# KiCad board d20_tri_r0.3_4x1.kicad_pcb (continued)
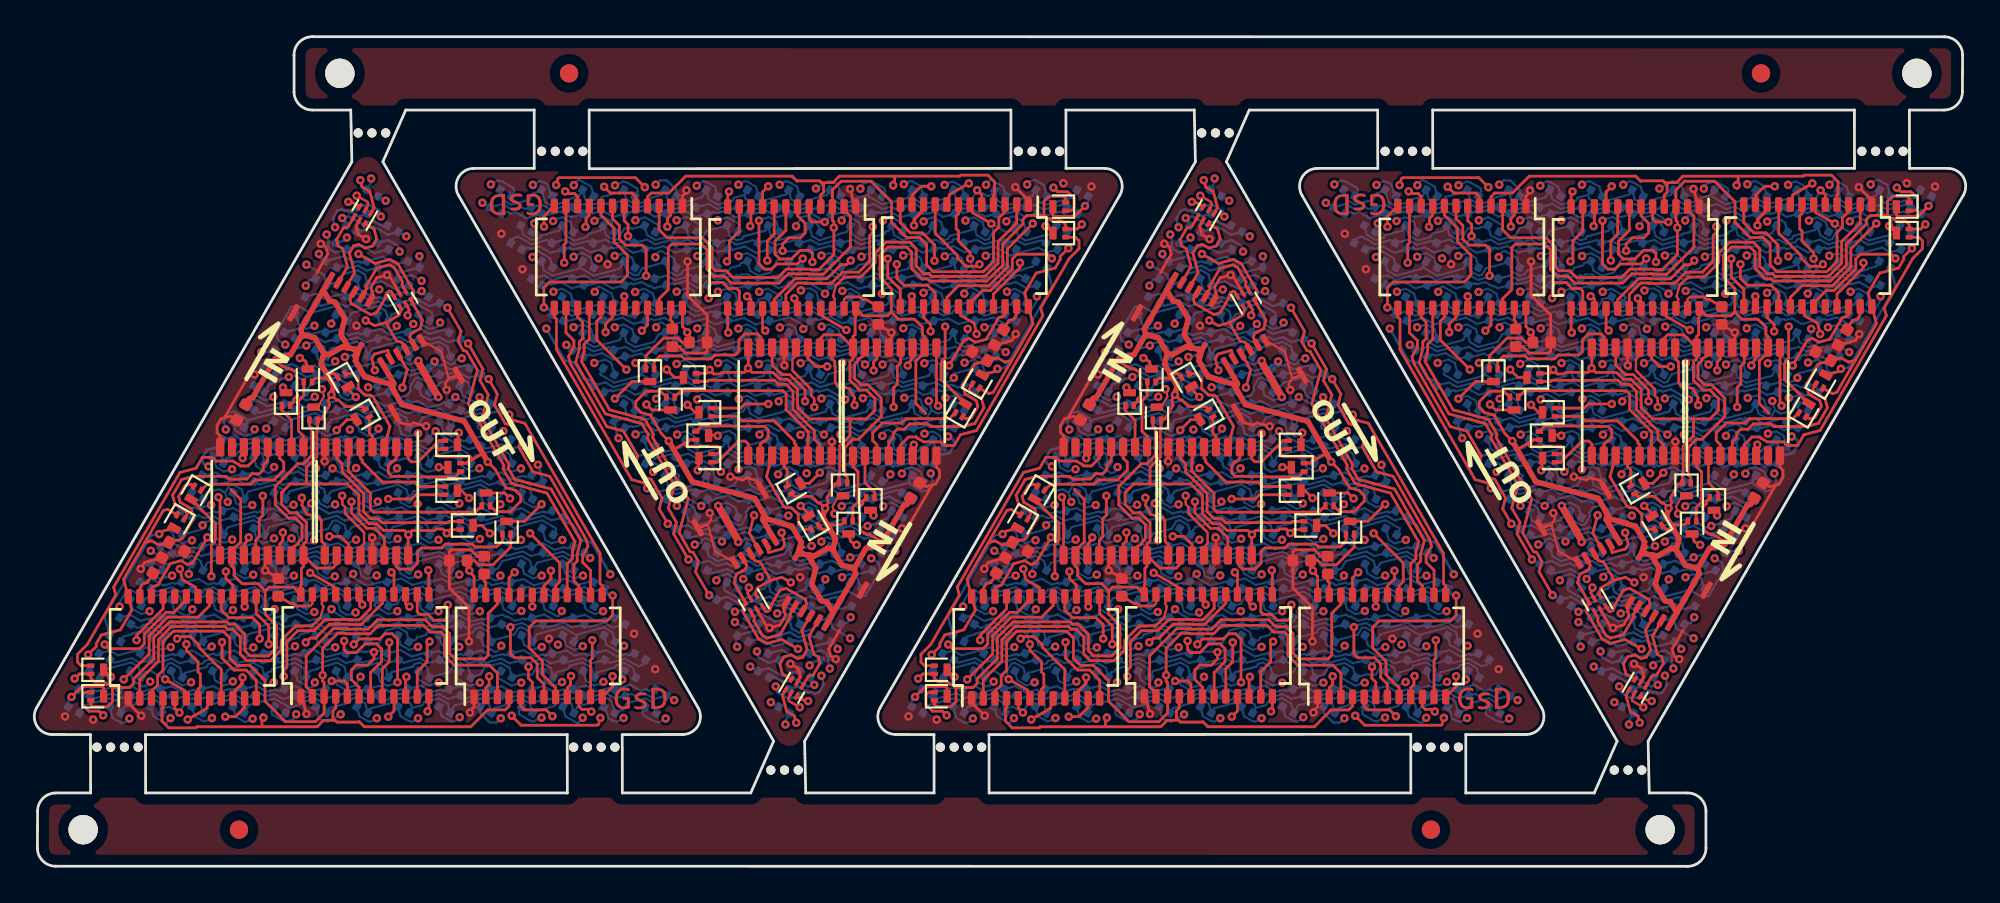
[diagram p0: board, top side]
## Routing (per net, layer and track width the routed paths; a pad name or vN(x,y) marks a point on that pad's centre or on a via; arc(x,y) is an arc through that point) (continued)
colb_4: length 164.8
  Top w0.15: U3.9 49.13,34.53 50.34,33.32 50.34,33.19 50.81,32.72 51.41,32.72 51.59,32.91 ; 7.74,12.34 7.92,12.53 8.52,12.53 8.99,12.06 8.99,11.93 10.2,10.72 U3#2.9 ; 53.74,12.34 53.92,12.53 54.52,12.53 54.99,12.06 54.99,11.93 56.2,10.72 U3#4.9 ; 97.59,32.91 97.41,32.72 96.81,32.72 96.34,33.19 96.34,33.32 95.13,34.53 U3#3.9
  In1.Cu w0.2: v1(6.35,17.21) 6.53,17.1 v1(7.79,12.42) ; v1(52.35,17.21) 52.53,17.1 v1(53.79,12.42) ; v1(98.98,28.05) 98.8,28.15 v1(97.54,32.84) ; v1(52.98,28.05) 52.8,28.15 v1(51.54,32.84)
  Bottom w0.114: D165.2 52.2,28.81 ; 52.2,28.81 51.24,28.55 51.18,28.44 50.73,28.32 50.27,28.59 D149.2 49.89,28.7 48.49,28.32 48.02,28.59 D133.2 47.64,28.7 46.24,28.32 45.77,28.59 D117.2 45.4,28.7 43.99,28.32 43.53,28.59 D101.2 43.15,28.7 41.75,28.32 41.28,28.59 D85.2 40.9,28.7 39.5,28.32 39.03,28.59 D69.2 38.66,28.7 37.25,28.33 36.79,28.59 D53.2 36.41,28.7 35.01,28.33 34.54,28.6 D37.2 34.05,29.02 33.81,28.61 32.76,28.33 32.29,28.6 D21.2 31.92,28.7 30.51,28.33 30.05,28.6 D5.2 ; 52.2,28.81 52.3,28.44 v1(52.98,28.05) ; 7.13,16.45 8.09,16.7 8.15,16.81 8.6,16.93 9.06,16.66 D149#2.2 9.44,16.56 10.84,16.93 11.31,16.66 D133#2.2 11.69,16.56 13.09,16.93 13.56,16.66 D117#2.2 13.93,16.56 15.34,16.93 15.8,16.66 D101#2.2 16.18,16.55 17.58,16.93 18.05,16.66 D85#2.2 18.43,16.55 19.83,16.93 20.3,16.66 D69#2.2 20.67,16.55 22.08,16.93 22.54,16.66 D53#2.2 22.92,16.55 24.32,16.93 24.79,16.66 D37#2.2 25.28,16.24 25.52,16.65 26.57,16.93 27.04,16.66 D21#2.2 27.41,16.55 28.82,16.93 29.28,16.66 D5#2.2 ; 7.13,16.45 D165#2.2 ; 7.13,16.45 7.03,16.82 v1(6.35,17.21) ; v1(52.35,17.21) 53.03,16.82 53.13,16.45 ; 98.2,28.81 97.24,28.55 97.18,28.44 96.73,28.32 96.27,28.59 D149#3.2 95.89,28.7 94.49,28.32 94.02,28.59 D133#4.2 93.64,28.7 92.24,28.32 91.77,28.59 D117#3.2 91.4,28.7 89.99,28.32 89.53,28.59 D101#3.2 89.15,28.7 87.75,28.32 87.28,28.59 D85#3.2 86.9,28.7 85.5,28.32 85.03,28.59 D69#3.2 84.66,28.7 83.25,28.33 82.79,28.59 D53#3.2 82.41,28.7 81.01,28.33 80.54,28.6 D37#4.2 80.05,29.02 79.81,28.61 78.76,28.33 78.29,28.6 D21#3.2 77.92,28.7 76.51,28.33 76.05,28.6 D5#3.2 ; 98.2,28.81 D165#4.2 ; 98.2,28.81 98.3,28.44 v1(98.98,28.05) ; D165#3.2 53.13,16.45 ; 53.13,16.45 54.09,16.7 54.15,16.81 54.6,16.93 55.06,16.66 D149#4.2 55.44,16.56 56.84,16.93 57.31,16.66 D133#3.2 57.69,16.56 59.09,16.93 59.56,16.66 D117#4.2 59.93,16.56 61.34,16.93 61.8,16.66 D101#4.2 62.18,16.55 63.58,16.93 64.05,16.66 D85#4.2 64.43,16.55 65.83,16.93 66.3,16.66 D69#4.2 66.67,16.55 68.08,16.93 68.54,16.66 D53#4.2 68.92,16.55 70.32,16.93 70.79,16.66 D37#3.2 71.28,16.24 71.52,16.65 72.57,16.93 73.04,16.66 D21#4.2 73.41,16.55 74.82,16.93 75.28,16.66 D5#4.2
colb_5: length 158.8
  Top w0.15: 48.01,34.97 48.01,35.3 48.5,35.78 U3.10 48.5,35.81 47.97,35.28 v1(47.97,34.96) ; v1(11.36,10.3) 11.36,9.97 10.83,9.45 U3#2.10 10.83,9.47 11.32,9.96 11.32,10.28 ; 57.32,10.28 57.32,9.96 56.83,9.47 U3#4.10 56.83,9.45 57.36,9.97 v1(57.36,10.3) ; v1(93.97,34.96) 93.97,35.28 94.5,35.81 U3#3.10 94.5,35.78 94.01,35.3 94.01,34.97
  In1.Cu w0.15: v1(11.36,10.3) 11.53,10.95 9.94,13.71 10.44,15.59 10.82,15.81 10.91,16.14 10.12,17.52 10.23,17.94 9.97,18.39 9.26,18.58 ; 55.26,18.58 55.97,18.39 56.23,17.94 56.12,17.52 56.91,16.14 56.82,15.81 56.44,15.59 55.94,13.71 57.53,10.95 v1(57.36,10.3) ; v1(93.97,34.96) 93.8,34.31 95.4,31.54 94.89,29.66 94.51,29.44 94.42,29.11 95.21,27.74 95.1,27.31 95.36,26.86 96.07,26.67 ; v1(47.97,34.96) 47.8,34.31 49.4,31.54 48.89,29.66 48.51,29.44 48.42,29.11 49.21,27.74 49.1,27.31 49.36,26.86 50.07,26.67
  Bottom w0.114: 33.12,26.89 33.04,26.76 31.64,26.38 30.89,26.81 30.87,26.89 D6.2 ; 33.12,26.89 D22.2 ; 33.12,26.89 33.14,26.81 33.88,26.38 35.29,26.76 D38.2 35.66,26.65 36.19,26.35 36.21,26.38 37.52,26.74 D54.2 37.91,26.65 38.38,26.38 39.78,26.76 D70.2 40.16,26.65 40.62,26.38 42.03,26.75 D86.2 42.4,26.65 42.87,26.38 43.06,26.43 43.3,26.84 D102.2 44.65,26.65 45.12,26.38 46.52,26.75 D118.2 46.9,26.65 47.36,26.38 47.51,26.42 47.51,26.42 48.77,26.76 D134.2 49.14,26.65 49.61,26.38 49.96,26.47 50.2,26.88 D150.2 ; 26.21,18.36 26.19,18.44 25.45,18.87 24.04,18.5 D38#2.2 23.67,18.61 23.14,18.91 23.12,18.87 21.81,18.52 D54#2.2 21.42,18.61 20.95,18.88 19.55,18.5 D70#2.2 19.17,18.61 18.71,18.88 17.3,18.5 D86#2.2 16.93,18.61 16.46,18.88 16.27,18.83 16.03,18.41 D102#2.2 14.68,18.61 14.21,18.88 12.81,18.5 D118#2.2 12.43,18.61 11.97,18.88 11.82,18.84 11.82,18.83 10.56,18.5 D134#2.2 10.19,18.61 9.72,18.88 9.37,18.78 9.13,18.37 D150#2.2 ; 26.21,18.36 26.29,18.5 27.69,18.87 28.44,18.44 28.46,18.36 D6#2.2 ; 26.21,18.36 D22#2.2 ; D150#4.2 55.13,18.37 55.37,18.78 55.72,18.88 56.19,18.61 D134#3.2 56.56,18.5 57.82,18.83 57.82,18.84 57.97,18.88 58.43,18.61 D118#4.2 58.81,18.5 60.21,18.88 60.68,18.61 D102#4.2 62.03,18.41 62.27,18.83 62.46,18.88 62.93,18.61 D86#4.2 63.3,18.5 64.71,18.88 65.17,18.61 D70#4.2 65.55,18.5 66.95,18.88 67.42,18.61 D54#4.2 67.81,18.52 69.12,18.87 69.14,18.91 69.67,18.61 D38#3.2 70.04,18.5 71.45,18.87 72.19,18.44 72.21,18.36 ; 72.21,18.36 72.29,18.5 73.69,18.87 74.44,18.44 74.46,18.36 D6#3.2 ; 72.21,18.36 D22#3.2 ; 79.12,26.89 79.14,26.81 79.88,26.38 81.29,26.76 D38#4.2 81.66,26.65 82.19,26.35 82.21,26.38 83.52,26.74 D54#3.2 83.91,26.65 84.38,26.38 85.78,26.76 D70#3.2 86.16,26.65 86.62,26.38 88.03,26.75 D86#3.2 88.4,26.65 88.87,26.38 89.06,26.43 89.3,26.84 D102#3.2 90.65,26.65 91.12,26.38 92.52,26.75 D118#3.2 92.9,26.65 93.36,26.38 93.51,26.42 93.51,26.42 94.77,26.76 D134#4.2 95.14,26.65 95.61,26.38 95.96,26.47 96.2,26.88 D150#3.2 ; 79.12,26.89 79.04,26.76 77.64,26.38 76.89,26.81 76.87,26.89 D6#4.2 ; 79.12,26.89 D22#4.2
  vias: v1(9.18,18.61) v1(50.15,26.64) v1(55.18,18.61) v1(96.15,26.64)
colb_6: length 174.2
  Top w0.15: v1(48.92,37.09) 48.36,37.09 47.86,36.59 U3.11 ; U3#2.11 11.47,8.66 10.97,8.16 v1(10.42,8.16) ; U3#4.11 57.47,8.66 56.97,8.16 v1(56.42,8.16) ; U3#3.11 93.86,36.59 94.36,37.09 v1(94.92,37.09)
  In1.Cu w0.15: v1(10.42,8.16) 11.38,7.6 11.66,7.68 11.93,7.52 12.35,7.64 12.43,7.59 12.94,7.72 13.23,8.22 13.07,8.81 10.22,13.75 10.64,15.32 10.98,15.41 11.72,16.7 11.19,17.63 11.3,18.04 10.61,19.22 10.71,19.59 v1(10.55,19.87) ; v1(56.55,19.87) 56.71,19.59 56.61,19.22 57.3,18.04 57.19,17.63 57.72,16.7 56.98,15.41 56.64,15.32 56.22,13.75 59.07,8.81 59.23,8.22 58.94,7.72 58.43,7.59 58.35,7.64 57.93,7.52 57.66,7.68 57.38,7.6 v1(56.42,8.16) ; v1(94.92,37.09) 93.95,37.65 93.67,37.58 93.4,37.73 92.98,37.62 92.9,37.67 92.39,37.53 92.1,37.04 92.26,36.44 95.11,31.5 94.69,29.94 94.35,29.85 93.61,28.55 94.14,27.63 94.03,27.22 94.72,26.04 94.62,25.66 v1(94.78,25.38) ; v1(48.92,37.09) 47.95,37.65 47.67,37.58 47.4,37.73 46.98,37.62 46.9,37.67 46.39,37.53 46.1,37.04 46.26,36.44 49.11,31.5 48.69,29.94 48.35,29.85 47.61,28.55 48.14,27.63 48.03,27.22 48.72,26.04 48.62,25.66 v1(48.78,25.38)
  Bottom w0.114: 48.93,24.88 48.7,24.49 48.49,24.43 48.02,24.7 D119.2 47.64,24.81 46.24,24.43 45.77,24.7 D103.2 ; 48.93,24.88 48.99,24.84 ; 48.93,24.88 48.88,25.06 48.86,25.07 v1(48.78,25.38) ; D71.2 40.9,24.81 39.5,24.43 39.03,24.7 D55.2 38.66,24.81 37.88,24.61 37.88,24.6 37.25,24.43 36.79,24.7 D39.2 36.41,24.81 35.01,24.44 34.54,24.7 D23.2 33.91,25.09 33.67,24.68 32.76,24.44 32.29,24.71 D7.2 ; 10.41,20.38 10.63,20.77 10.84,20.82 11.31,20.55 D119#2.2 11.69,20.45 13.09,20.82 13.56,20.55 D103#2.2 ; 10.41,20.38 10.45,20.2 10.47,20.19 v1(10.55,19.87) ; 10.41,20.38 10.34,20.41 ; D7#2.2 27.04,20.55 26.57,20.82 25.66,20.58 25.42,20.16 D23#2.2 24.79,20.55 24.32,20.82 22.92,20.44 D39#2.2 22.54,20.55 22.08,20.82 21.45,20.65 21.45,20.65 20.67,20.44 D55#2.2 20.3,20.55 19.83,20.82 18.43,20.45 D71#2.2 ; 10.1,20.55 10.34,20.41 ; D135#2.2 9.41,20.39 10.07,20.57 10.34,20.41 ; 56.41,20.38 56.63,20.77 56.84,20.82 57.31,20.55 D119#4.2 57.69,20.45 59.09,20.82 59.56,20.55 D103#4.2 ; 56.41,20.38 56.45,20.2 56.47,20.19 v1(56.55,19.87) ; 56.41,20.38 56.34,20.41 ; D71#4.2 64.43,20.45 65.83,20.82 66.3,20.55 D55#3.2 66.67,20.44 67.45,20.65 67.45,20.65 68.08,20.82 68.54,20.55 D39#4.2 68.92,20.44 70.32,20.82 70.79,20.55 D23#3.2 71.42,20.16 71.66,20.58 72.57,20.82 73.04,20.55 D7#3.2 ; 56.1,20.55 56.34,20.41 ; 56.34,20.41 56.07,20.57 55.41,20.39 D135#4.2 ; 94.93,24.88 94.7,24.49 94.49,24.43 94.02,24.7 D119#3.2 93.64,24.81 92.24,24.43 91.77,24.7 D103#3.2 ; 94.93,24.88 94.88,25.06 94.86,25.07 v1(94.78,25.38) ; 94.93,24.88 94.99,24.84 ; D7#4.2 78.29,24.71 78.76,24.44 79.67,24.68 79.91,25.09 D23#4.2 80.54,24.7 81.01,24.44 82.41,24.81 D39#3.2 82.79,24.7 83.25,24.43 83.88,24.6 83.88,24.61 84.66,24.81 D55#4.2 85.03,24.7 85.5,24.43 86.9,24.81 D71#3.2 ; 95.23,24.7 94.99,24.84 ; D135#3.2 95.93,24.87 95.26,24.69 94.99,24.84 ; 48.99,24.84 49.23,24.7 ; 48.99,24.84 49.26,24.69 49.93,24.87 D135.2
  Bottom w0.127: D71.2 41.28,24.69 41.75,24.43 42.22,24.55 42.22,24.55 43.14,24.8 D87.2 43.53,24.69 44,24.42 45.39,24.8 D103.2 ; D103#2.2 13.94,20.46 15.33,20.83 15.8,20.56 D87#2.2 16.19,20.46 17.11,20.71 17.12,20.7 17.58,20.83 18.05,20.56 D71#2.2 ; D103#4.2 59.94,20.46 61.33,20.83 61.8,20.56 D87#4.2 62.19,20.46 63.11,20.71 63.12,20.7 63.58,20.83 64.05,20.56 D71#4.2 ; D103#3.2 91.39,24.8 90,24.42 89.53,24.69 D87#3.2 89.14,24.8 88.22,24.55 88.22,24.55 87.75,24.43 87.28,24.69 D71#3.2
colb_7: length 155.9
  Top w0.15: v1(49.09,33.03) 49.09,33.89 48.44,34.55 47.78,34.55 47.23,35.1 U3.12 ; v1(10.24,12.23) 10.24,11.36 10.89,10.71 11.55,10.71 12.1,10.15 U3#2.12 ; U3#4.12 58.1,10.15 57.55,10.71 56.89,10.71 56.24,11.36 v1(56.24,12.23) ; v1(95.09,33.03) 95.09,33.89 94.44,34.55 93.78,34.55 93.23,35.1 U3#3.12
  In1.Cu w0.15: 9.52,21.85 8.34,19.81 8.68,18.54 8.97,18.04 9.02,17.86 9.01,17.84 10.03,16.07 10.11,15.79 9.38,14.53 9.96,12.39 v1(10.24,12.23) ; 95.81,23.41 96.99,25.45 96.65,26.72 96.36,27.22 96.31,27.4 96.32,27.42 95.3,29.18 95.22,29.47 95.95,30.72 95.37,32.87 v1(95.09,33.03) ; 55.52,21.85 54.34,19.81 54.68,18.54 54.97,18.04 55.02,17.86 55.01,17.84 56.03,16.07 56.11,15.79 55.38,14.53 55.96,12.39 v1(56.24,12.23) ; 49.81,23.41 50.99,25.45 50.65,26.72 50.36,27.22 50.31,27.4 50.32,27.42 49.3,29.18 49.22,29.47 49.95,30.72 49.37,32.87 v1(49.09,33.03)
  Bottom w0.114: D8.2 33.42,22.76 33.9,22.48 35.28,22.85 D24.2 35.66,22.76 36.13,22.49 37.53,22.87 D40.2 37.91,22.76 38.38,22.49 38.75,22.59 38.98,22.97 39.79,23.19 39.81,23.22 D56.2 ; D8#2.2 25.91,22.5 25.43,22.77 24.05,22.4 D24#2.2 23.67,22.5 23.2,22.77 21.8,22.39 D40#2.2 21.42,22.5 20.95,22.77 20.58,22.67 20.36,22.28 19.54,22.06 19.52,22.03 D56#2.2 ; D104#2.2 12.43,22.52 11.9,22.83 11.12,22.62 10.99,22.39 10.67,22.31 ; D56#3.2 65.52,22.03 65.54,22.06 66.36,22.28 66.58,22.67 66.95,22.77 67.42,22.5 D40#3.2 67.8,22.39 69.2,22.77 69.67,22.5 D24#3.2 70.05,22.4 71.43,22.77 71.91,22.5 D8#3.2 ; 56.67,22.31 56.99,22.39 57.12,22.62 57.9,22.83 58.43,22.52 D104#4.2 ; D8#4.2 79.42,22.76 79.9,22.48 81.28,22.85 D24#4.2 81.66,22.76 82.13,22.49 83.53,22.87 D40#4.2 83.91,22.76 84.38,22.49 84.75,22.59 84.98,22.97 85.79,23.19 85.81,23.22 D56#4.2 ; D104#3.2 92.9,22.73 93.43,22.43 94.21,22.64 94.34,22.86 94.66,22.95 ; 48.66,22.95 48.34,22.86 48.21,22.64 47.43,22.43 46.9,22.73 D104.2
  Bottom w0.127: D104.2 46.52,22.86 45.12,22.48 44.65,22.75 D88.2 44.27,22.86 42.87,22.48 42.13,22.91 42.11,23 D72.2 42.02,22.86 40.62,22.48 40.16,22.75 D56.2 ; D104#2.2 12.81,22.4 14.21,22.77 14.68,22.51 D88#2.2 15.06,22.4 16.46,22.77 17.2,22.35 17.23,22.26 D72#2.2 17.31,22.4 18.71,22.77 19.17,22.51 D56#2.2 ; D56#3.2 65.17,22.51 64.71,22.77 63.31,22.4 D72#4.2 63.23,22.26 63.2,22.35 62.46,22.77 61.06,22.4 D88#3.2 60.68,22.51 60.21,22.77 58.81,22.4 D104#4.2 ; D104#3.2 92.52,22.86 91.12,22.48 90.65,22.75 D88#4.2 90.27,22.86 88.87,22.48 88.13,22.91 88.11,23 D72#3.2 88.02,22.86 86.62,22.48 86.16,22.75 D56#4.2
  Bottom w0.15: v1(9.5,21.81) 9.21,21.97 9.14,22.24 9.41,22.7 9.85,22.82 10.14,22.65 D120#2.2 10.49,22.26 10.67,22.31 ; v1(55.5,21.81) 55.21,21.97 55.14,22.24 55.41,22.7 55.85,22.82 56.14,22.65 D120#4.2 56.49,22.26 56.67,22.31 ; v1(95.83,23.44) 96.12,23.28 96.19,23.01 95.92,22.55 95.48,22.43 95.19,22.6 D120#3.2 94.85,23 94.66,22.95 ; v1(49.83,23.44) 50.12,23.28 50.19,23.01 49.92,22.55 49.48,22.43 49.19,22.6 D120.2 48.85,23 48.66,22.95
colb_8: length 168.8
  Top w0.15: v1(12.79,12.11) 12.79,13.1 12.1,13.79 U3#2.13 ; v1(58.79,12.11) 58.79,13.1 58.1,13.79 U3#4.13 ; v1(92.54,33.14) 92.54,32.15 93.23,31.47 U3#3.13 ; U3.13 47.23,31.47 46.54,32.15 v1(46.54,33.14)
  In2.Cu w0.15: v1(12.79,12.11) 12.23,11.14 11.99,11.08 11.3,11.26 10.5,12.66 10.24,12.73 9.82,12.48 7.71,13.05 7.31,13.28 6.63,15.83 7.46,17.26 7.38,17.55 7.79,18.26 7.53,19.24 10.13,23.74 v1(10.44,23.82) ; v1(56.44,23.82) 56.13,23.74 53.53,19.24 53.79,18.26 53.38,17.55 53.46,17.26 52.63,15.83 53.31,13.28 53.71,13.05 55.82,12.48 56.24,12.73 56.5,12.66 57.3,11.26 57.99,11.08 58.23,11.14 v1(58.79,12.11) ; v1(92.54,33.14) 93.1,34.11 93.34,34.17 94.03,33.99 94.83,32.59 95.09,32.53 95.51,32.77 97.62,32.21 98.02,31.98 98.7,29.43 97.87,27.99 97.95,27.71 97.54,27 97.8,26.01 95.2,21.52 v1(94.89,21.43) ; v1(48.89,21.43) 49.2,21.52 51.8,26.01 51.54,27 51.95,27.71 51.87,27.99 52.7,29.43 52.02,31.98 51.62,32.21 49.51,32.77 49.09,32.53 48.83,32.59 48.03,33.99 47.34,34.17 47.1,34.11 v1(46.54,33.14)
  Bottom w0.114: D25.2 36.41,20.92 35.01,20.54 34.54,20.81 D9.2 ; D25#2.2 22.92,24.33 24.32,24.71 24.79,24.44 D9#2.2 ; D9#4.2 70.79,24.44 70.32,24.71 68.92,24.33 D25#3.2 ; D25#4.2 82.41,20.92 81.01,20.54 80.54,20.81 D9#3.2
  Bottom w0.127: D89.2 45.48,21.05 ; 45.48,21.05 45.5,20.96 46.24,20.54 47.64,20.91 47.72,21.05 ; 45.48,21.05 45.39,20.91 43.99,20.54 43.53,20.8 D73.2 43.15,20.91 41.75,20.54 41.28,20.8 D57.2 40.93,20.96 39.95,20.7 39.92,20.65 39.5,20.54 39.04,20.8 D41.2 38.39,21.2 38.15,20.78 37.25,20.54 36.79,20.8 D25.2 ; 47.72,21.05 47.79,20.81 48.43,20.44 48.76,20.53 49.01,20.97 v1(48.89,21.43) ; 47.72,21.05 D105.2 ; D25#2.2 22.54,24.45 22.08,24.72 21.18,24.48 20.94,24.06 D41#2.2 20.29,24.45 19.83,24.72 19.41,24.61 19.38,24.55 18.4,24.29 D57#2.2 18.05,24.45 17.58,24.72 16.18,24.34 D73#2.2 15.8,24.45 15.34,24.72 13.94,24.34 13.86,24.2 ; 13.86,24.2 13.83,24.29 13.09,24.72 11.69,24.34 11.61,24.2 ; 13.86,24.2 D89#2.2 ; 11.61,24.2 D105#2.2 ; 11.61,24.2 11.54,24.44 10.9,24.81 10.58,24.72 10.32,24.28 v1(10.44,23.82) ; 59.86,24.2 59.94,24.34 61.34,24.72 61.8,24.45 D73#3.2 62.18,24.34 63.58,24.72 64.05,24.45 D57#3.2 64.4,24.29 65.38,24.55 65.41,24.61 65.83,24.72 66.29,24.45 D41#3.2 66.94,24.06 67.18,24.48 68.08,24.72 68.54,24.45 D25#3.2 ; 59.86,24.2 59.83,24.29 59.09,24.72 57.69,24.34 57.61,24.2 ; 59.86,24.2 D89#4.2 ; 57.61,24.2 D105#4.2 ; 57.61,24.2 57.54,24.44 56.9,24.81 56.58,24.72 56.32,24.28 v1(56.44,23.82) ; D25#4.2 82.79,20.8 83.25,20.54 84.15,20.78 84.39,21.2 D41#4.2 85.04,20.8 85.5,20.54 85.92,20.65 85.95,20.7 86.93,20.96 D57#4.2 87.28,20.8 87.75,20.54 89.15,20.91 D73#4.2 89.53,20.8 89.99,20.54 91.39,20.91 91.48,21.05 ; 91.48,21.05 91.5,20.96 92.24,20.54 93.64,20.91 93.72,21.05 ; 91.48,21.05 D89#3.2 ; 93.72,21.05 D105#3.2 ; 93.72,21.05 93.79,20.81 94.43,20.44 94.76,20.53 95.01,20.97 v1(94.89,21.43)
colb_9: length 140.5
  Top w0.15: 47.89,31.14 47.86,31.12 U3.14 ; U3#2.14 11.47,14.14 11.45,14.11 ; U3#4.14 57.47,14.14 57.45,14.11 ; U3#3.14 93.86,31.12 93.89,31.14
  In2.Cu w0.15: v1(11.48,14.16) 11.16,13.61 10.69,13.49 9.6,14.11 8.85,16.91 8.2,17.28 8.02,17.59 8.34,18.15 8.11,19.04 9.2,20.94 10.54,21.3 10.76,21.18 11.18,21.29 11.33,21.55 11.75,21.66 11.82,21.73 12.64,23.16 13.43,23.37 14.25,24.8 14.25,26 14.18,26.25 13.97,26.38 v1(13.88,26.69) ; v1(59.88,26.69) 59.97,26.38 60.18,26.25 60.25,26 60.25,24.8 59.43,23.37 58.64,23.16 57.82,21.73 57.75,21.66 57.33,21.55 57.18,21.29 56.76,21.18 56.54,21.3 55.2,20.94 54.11,19.04 54.34,18.15 54.02,17.59 54.2,17.28 54.85,16.91 55.6,14.11 56.69,13.49 57.16,13.61 v1(57.48,14.16) ; v1(93.86,31.09) 94.17,31.64 94.65,31.77 95.73,31.14 96.48,28.35 97.13,27.98 97.31,27.66 96.99,27.1 97.23,26.21 96.13,24.31 94.79,23.95 94.57,24.08 94.15,23.96 94,23.71 93.58,23.59 93.52,23.53 92.69,22.09 91.91,21.88 91.08,20.45 91.08,19.26 91.15,19 91.36,18.88 v1(91.45,18.56) ; v1(45.45,18.56) 45.36,18.88 45.15,19 45.08,19.26 45.08,20.45 45.91,21.88 46.69,22.09 47.52,23.53 47.58,23.59 48,23.71 48.15,23.96 48.57,24.08 48.79,23.95 50.13,24.31 51.23,26.21 50.99,27.1 51.31,27.66 51.13,27.98 50.48,28.35 49.73,31.14 48.65,31.77 48.17,31.64 v1(47.86,31.09)
  Bottom w0.114: 21.31,26.46 20.96,26.66 20.76,26.61 20.48,26.12 20.52,25.97 20.36,25.69 19.85,25.55 D42#2.2 ; 67.31,26.46 66.96,26.66 66.76,26.61 66.48,26.12 66.52,25.97 66.36,25.69 65.85,25.55 D42#3.2 ; 84.02,18.8 84.37,18.6 84.57,18.65 84.85,19.13 84.81,19.29 84.97,19.56 85.48,19.7 D42#4.2 ; 38.02,18.8 38.37,18.6 38.57,18.65 38.85,19.13 38.81,19.29 38.97,19.56 39.48,19.7 D42.2
  Bottom w0.127: D90.2 46.51,18.96 46.01,18.83 45.94,18.69 v1(45.45,18.56) 45.13,18.48 44.69,18.74 D74.2 44.27,18.97 42.87,18.59 42.41,18.86 42.08,18.95 42,19.08 41.46,19.4 41.42,19.47 41.25,19.51 41.01,19.65 D42.2 ; D90#2.2 12.82,26.29 13.32,26.43 13.39,26.56 v1(13.88,26.69) 14.2,26.78 14.64,26.52 D74#2.2 15.06,26.29 16.46,26.66 16.92,26.4 17.25,26.31 17.33,26.17 17.87,25.86 17.92,25.78 18.08,25.74 18.32,25.6 D42#2.2 ; D10#2.2 23.66,26.4 23.2,26.66 22.12,26.37 22.03,26.23 21.72,26.15 D26#2.2 21.42,26.4 21.31,26.46 ; D90#3.2 58.82,26.29 59.32,26.43 59.39,26.56 v1(59.88,26.69) 60.2,26.78 60.64,26.52 D74#4.2 61.06,26.29 62.46,26.66 62.92,26.4 63.25,26.31 63.33,26.17 63.87,25.86 63.92,25.78 64.08,25.74 64.32,25.6 D42#3.2 ; D10#4.2 69.66,26.4 69.2,26.66 68.12,26.37 68.03,26.23 67.72,26.15 D26#3.2 67.42,26.4 67.31,26.46 ; D90#4.2 92.51,18.96 92.01,18.83 91.94,18.69 v1(91.45,18.56) 91.13,18.48 90.69,18.74 D74#3.2 90.27,18.97 88.87,18.59 88.41,18.86 88.08,18.95 88,19.08 87.46,19.4 87.42,19.47 87.25,19.51 87.01,19.65 D42#4.2 ; D10#3.2 81.67,18.86 82.13,18.59 83.21,18.88 83.3,19.02 83.61,19.11 D26#4.2 83.91,18.86 84.02,18.8 ; 38.02,18.8 37.91,18.86 D26.2 37.61,19.11 37.3,19.02 37.21,18.88 36.13,18.59 35.67,18.86 D10.2
  Bottom w0.15: 17.33,26.17 17.38,26.08 17.37,26.05 D58#2.2 ; D58#3.2 63.37,26.05 63.38,26.08 63.33,26.17 ; 88,19.08 87.95,19.17 87.96,19.21 D58#4.2 ; D58.2 41.96,19.21 41.95,19.17 42,19.08
colb_10: length 122.3
  Top w0.15: v1(10.45,16.08) 10.45,15.71 10.83,15.32 U3#2.15 ; v1(94.88,29.18) 94.88,29.55 94.5,29.93 U3#3.15 ; v1(56.45,16.08) 56.45,15.71 56.83,15.32 U3#4.15 ; U3.15 48.5,29.93 48.88,29.55 v1(48.88,29.18)
  In2.Cu w0.114: 10.46,20.67 9.52,20.41 9.08,19.67 ; 56.46,20.67 55.52,20.41 55.08,19.67 ; 94.87,24.59 95.82,24.84 96.25,25.59 ; 50.25,25.59 49.82,24.84 48.87,24.59
  In2.Cu w0.15: v1(10.45,16.08) 9.81,17.18 9.27,17.33 9.07,17.68 8.9,18.31 8.81,18.36 8.66,18.93 9.08,19.67 ; 14.92,27.15 14.99,27.27 ; 14.92,27.15 15.26,27.73 15.12,28.24 v1(14.84,28.41) ; 14.92,27.15 14.72,26.81 14.82,26.45 14.82,24.63 14.81,24.63 13.67,22.65 12.86,22.43 12.25,21.38 12.25,21.37 11.43,20.54 10.91,20.41 10.46,20.67 ; 60.92,27.15 60.99,27.27 ; 60.92,27.15 61.26,27.73 61.12,28.24 v1(60.84,28.41) ; 60.92,27.15 60.72,26.81 60.82,26.45 60.82,24.63 60.81,24.63 59.67,22.65 58.86,22.43 58.25,21.38 58.25,21.37 57.43,20.54 56.91,20.41 56.46,20.67 ; v1(94.88,29.18) 95.52,28.07 96.06,27.93 96.26,27.58 96.43,26.95 96.52,26.9 96.67,26.33 96.25,25.59 ; 90.41,18.1 90.34,17.98 ; 90.41,18.1 90.07,17.52 90.21,17.01 v1(90.49,16.85) ; 90.41,18.1 90.61,18.44 90.51,18.8 90.51,20.62 90.52,20.63 91.66,22.6 92.48,22.82 93.08,23.88 93.08,23.89 93.9,24.71 94.42,24.85 94.87,24.59 ; v1(56.45,16.08) 55.81,17.18 55.27,17.33 55.07,17.68 54.9,18.31 54.81,18.36 54.66,18.93 55.08,19.67 ; v1(48.88,29.18) 49.52,28.07 50.06,27.93 50.26,27.58 50.43,26.95 50.52,26.9 50.67,26.33 50.25,25.59 ; 48.87,24.59 48.42,24.85 47.9,24.71 47.08,23.89 47.08,23.88 46.48,22.82 45.66,22.6 44.52,20.63 44.51,20.62 44.51,18.8 44.61,18.44 44.41,18.1 ; 44.41,18.1 44.07,17.52 44.21,17.01 v1(44.49,16.85) ; 44.41,18.1 44.34,17.98
  Bottom w0.127: D11.2 36.79,16.91 37.26,16.65 38.65,17.02 ; 38.65,17.02 D27.2 ; 38.65,17.02 38.74,17.04 39.45,16.63 40.9,17.02 D43.2 41.29,16.91 41.75,16.65 43.15,17.02 D59.2 43.53,16.91 44,16.65 44.4,16.75 44.46,16.85 45.1,17.02 45.28,17.35 D75.2 ; 20.68,28.23 D27#2.2 ; 20.68,28.23 22.08,28.61 22.54,28.34 D11#2.2 ; 20.68,28.23 20.59,28.21 19.88,28.62 18.43,28.23 D43#2.2 18.05,28.34 17.58,28.61 16.18,28.23 D59#2.2 15.8,28.34 15.34,28.61 14.93,28.5 14.87,28.4 14.23,28.23 14.05,27.91 D75#2.2 ; D75#4.2 60.05,27.91 60.23,28.23 60.87,28.4 60.93,28.5 61.34,28.61 61.8,28.34 D59#3.2 62.18,28.23 63.58,28.61 64.05,28.34 D43#3.2 64.43,28.23 65.88,28.62 66.59,28.21 66.68,28.23 ; 66.68,28.23 68.08,28.61 68.54,28.34 D11#3.2 ; 66.68,28.23 D27#3.2 ; 84.65,17.02 D27#4.2 ; 84.65,17.02 83.26,16.65 82.79,16.91 D11#4.2 ; 84.65,17.02 84.74,17.04 85.45,16.63 86.9,17.02 D43#4.2 87.29,16.91 87.75,16.65 89.15,17.02 D59#4.2 89.53,16.91 90,16.65 90.4,16.75 90.46,16.85 91.1,17.02 91.28,17.35 D75#3.2
colb_11: length 163.6
  Top w0.15: v1(12.29,12.42) 12.29,13.18 11.91,13.56 10.62,13.56 10.2,13.98 U3#2.16 ; U3#4.16 56.2,13.98 56.62,13.56 57.91,13.56 58.29,13.18 v1(58.29,12.42) ; v1(93.04,32.84) 93.04,32.08 93.43,31.69 94.71,31.69 95.13,31.27 U3#3.16 ; v1(47.04,32.84) 47.04,32.08 47.43,31.69 48.71,31.69 49.13,31.27 U3.16
  In2.Cu w0.15: v1(13.69,28.46) 11.31,24.34 11.86,22.31 11.62,21.89 11.33,21.81 11.16,21.91 11.16,21.91 10.76,22.14 10.47,22.06 10.14,21.48 8.97,21.17 7.81,19.16 8.07,18.2 7.67,17.51 7.74,17.24 6.91,15.81 7.01,15.41 8.3,13.19 9.53,12.86 9.59,12.89 9.83,12.83 10.41,13.16 11.6,12.47 12.01,12.58 v1(12.29,12.42) ; v1(59.69,28.46) 57.31,24.34 57.86,22.31 57.62,21.89 57.33,21.81 57.16,21.91 57.16,21.91 56.76,22.14 56.47,22.06 56.14,21.48 54.97,21.17 53.81,19.16 54.07,18.2 53.67,17.51 53.74,17.24 52.91,15.81 53.01,15.41 54.3,13.19 55.53,12.86 55.59,12.89 55.83,12.83 56.41,13.16 57.6,12.47 58.01,12.58 v1(58.29,12.42) ; v1(91.64,16.8) 94.02,20.91 93.47,22.95 93.71,23.37 94,23.45 94.17,23.35 94.17,23.34 94.57,23.12 94.86,23.19 95.19,23.77 96.36,24.08 97.52,26.09 97.26,27.05 97.66,27.75 97.59,28.01 98.42,29.45 98.32,29.84 97.03,32.07 95.8,32.4 95.74,32.36 95.5,32.43 94.92,32.1 93.73,32.79 93.32,32.68 v1(93.04,32.84) ; v1(45.64,16.8) 48.02,20.91 47.47,22.95 47.71,23.37 48,23.45 48.17,23.35 48.17,23.34 48.57,23.12 48.86,23.19 49.19,23.77 50.36,24.08 51.52,26.09 51.26,27.05 51.66,27.75 51.59,28.01 52.42,29.45 52.32,29.84 51.03,32.07 49.8,32.4 49.74,32.36 49.5,32.43 48.92,32.1 47.73,32.79 47.32,32.68 v1(47.04,32.84)
  Bottom w0.127: 44.27,15.07 42.87,14.7 42.41,14.97 D44.2 42.02,15.08 40.65,14.71 40.62,14.72 40.6,14.72 40.16,14.97 D28.2 39.82,15.15 39.32,15.01 39.15,14.73 38.5,14.56 37.66,15.05 37.61,15.22 D12.2 ; 44.27,15.07 D60.2 ; 44.27,15.07 44.98,14.66 45.32,14.75 46.14,16.17 46.03,16.58 v1(45.64,16.8) ; D60#2.2 15.06,30.18 ; 15.06,30.18 16.46,30.56 16.92,30.29 D44#2.2 17.31,30.18 18.68,30.55 18.71,30.53 18.73,30.54 19.17,30.29 D28#2.2 19.51,30.11 20.01,30.24 20.18,30.52 20.83,30.7 21.67,30.21 21.72,30.04 D12#2.2 ; 15.06,30.18 14.35,30.59 14.02,30.5 13.19,29.08 13.3,28.68 v1(13.69,28.46) ; D60#3.2 61.06,30.18 ; 61.06,30.18 62.46,30.56 62.92,30.29 D44#3.2 63.31,30.18 64.68,30.55 64.71,30.53 64.73,30.54 65.17,30.29 D28#3.2 65.51,30.11 66.01,30.24 66.18,30.52 66.83,30.7 67.67,30.21 67.72,30.04 D12#4.2 ; 61.06,30.18 60.35,30.59 60.02,30.5 59.19,29.08 59.3,28.68 v1(59.69,28.46) ; D60#4.2 90.27,15.07 ; 90.27,15.07 88.87,14.7 88.41,14.97 D44#4.2 88.02,15.08 86.65,14.71 86.62,14.72 86.6,14.72 86.16,14.97 D28#4.2 85.82,15.15 85.32,15.01 85.15,14.73 84.5,14.56 83.66,15.05 83.61,15.22 D12#3.2 ; 90.27,15.07 90.98,14.66 91.32,14.75 92.14,16.17 92.03,16.58 v1(91.64,16.8)
colb_12: length 162.1
  Top w0.15: U3#2.17 9.56,14.22 8.93,13.59 7.28,13.59 6.27,12.58 6.27,11.58 v1(4.88,10.2) ; U3#4.17 55.56,14.22 54.93,13.59 53.28,13.59 52.27,12.58 52.27,11.58 v1(50.88,10.2) ; U3#3.17 95.77,31.03 96.4,31.67 98.05,31.67 99.06,32.68 99.06,33.67 v1(100.45,35.06) ; v1(54.45,35.06) 53.06,33.67 53.06,32.68 52.05,31.67 50.4,31.67 49.77,31.03 U3.17
  In2.Cu w0.15: v1(4.88,10.2) 3.84,14.07 14.47,32.47 14.68,32.53 v1(14.84,32.81) ; v1(100.45,35.06) 101.49,31.18 90.87,12.78 90.65,12.72 v1(90.49,12.44) ; v1(50.88,10.2) 49.84,14.07 60.47,32.47 60.68,32.53 v1(60.84,32.81) ; v1(44.49,12.44) 44.65,12.72 44.87,12.78 55.49,31.18 v1(54.45,35.06)
  Bottom w0.127: 14.96,32.74 v1(14.84,32.81) 15.79,32.27 D45#2.2 16.6,31.88 16.85,32.3 17.63,32.51 18.03,32.28 D29#2.2 18.94,31.9 19.65,31.49 D13#2.2 ; 60.96,32.74 v1(60.84,32.81) 61.79,32.27 D45#3.2 62.6,31.88 62.85,32.3 63.63,32.51 64.03,32.28 D29#4.2 64.94,31.9 65.65,31.49 D13#4.2 ; 90.37,12.51 v1(90.49,12.44) 89.54,12.99 D45#4.2 88.73,13.37 88.49,12.95 87.7,12.74 87.3,12.97 D29#3.2 86.4,13.35 85.68,13.76 D13#3.2 ; 44.37,12.51 v1(44.49,12.44) 43.54,12.99 D45.2 42.73,13.37 42.49,12.95 41.7,12.74 41.3,12.97 D29.2 40.4,13.35 39.68,13.76 D13.2